# KiCad board Soft_Power_Switch_panelized.kicad_pcb (continued)
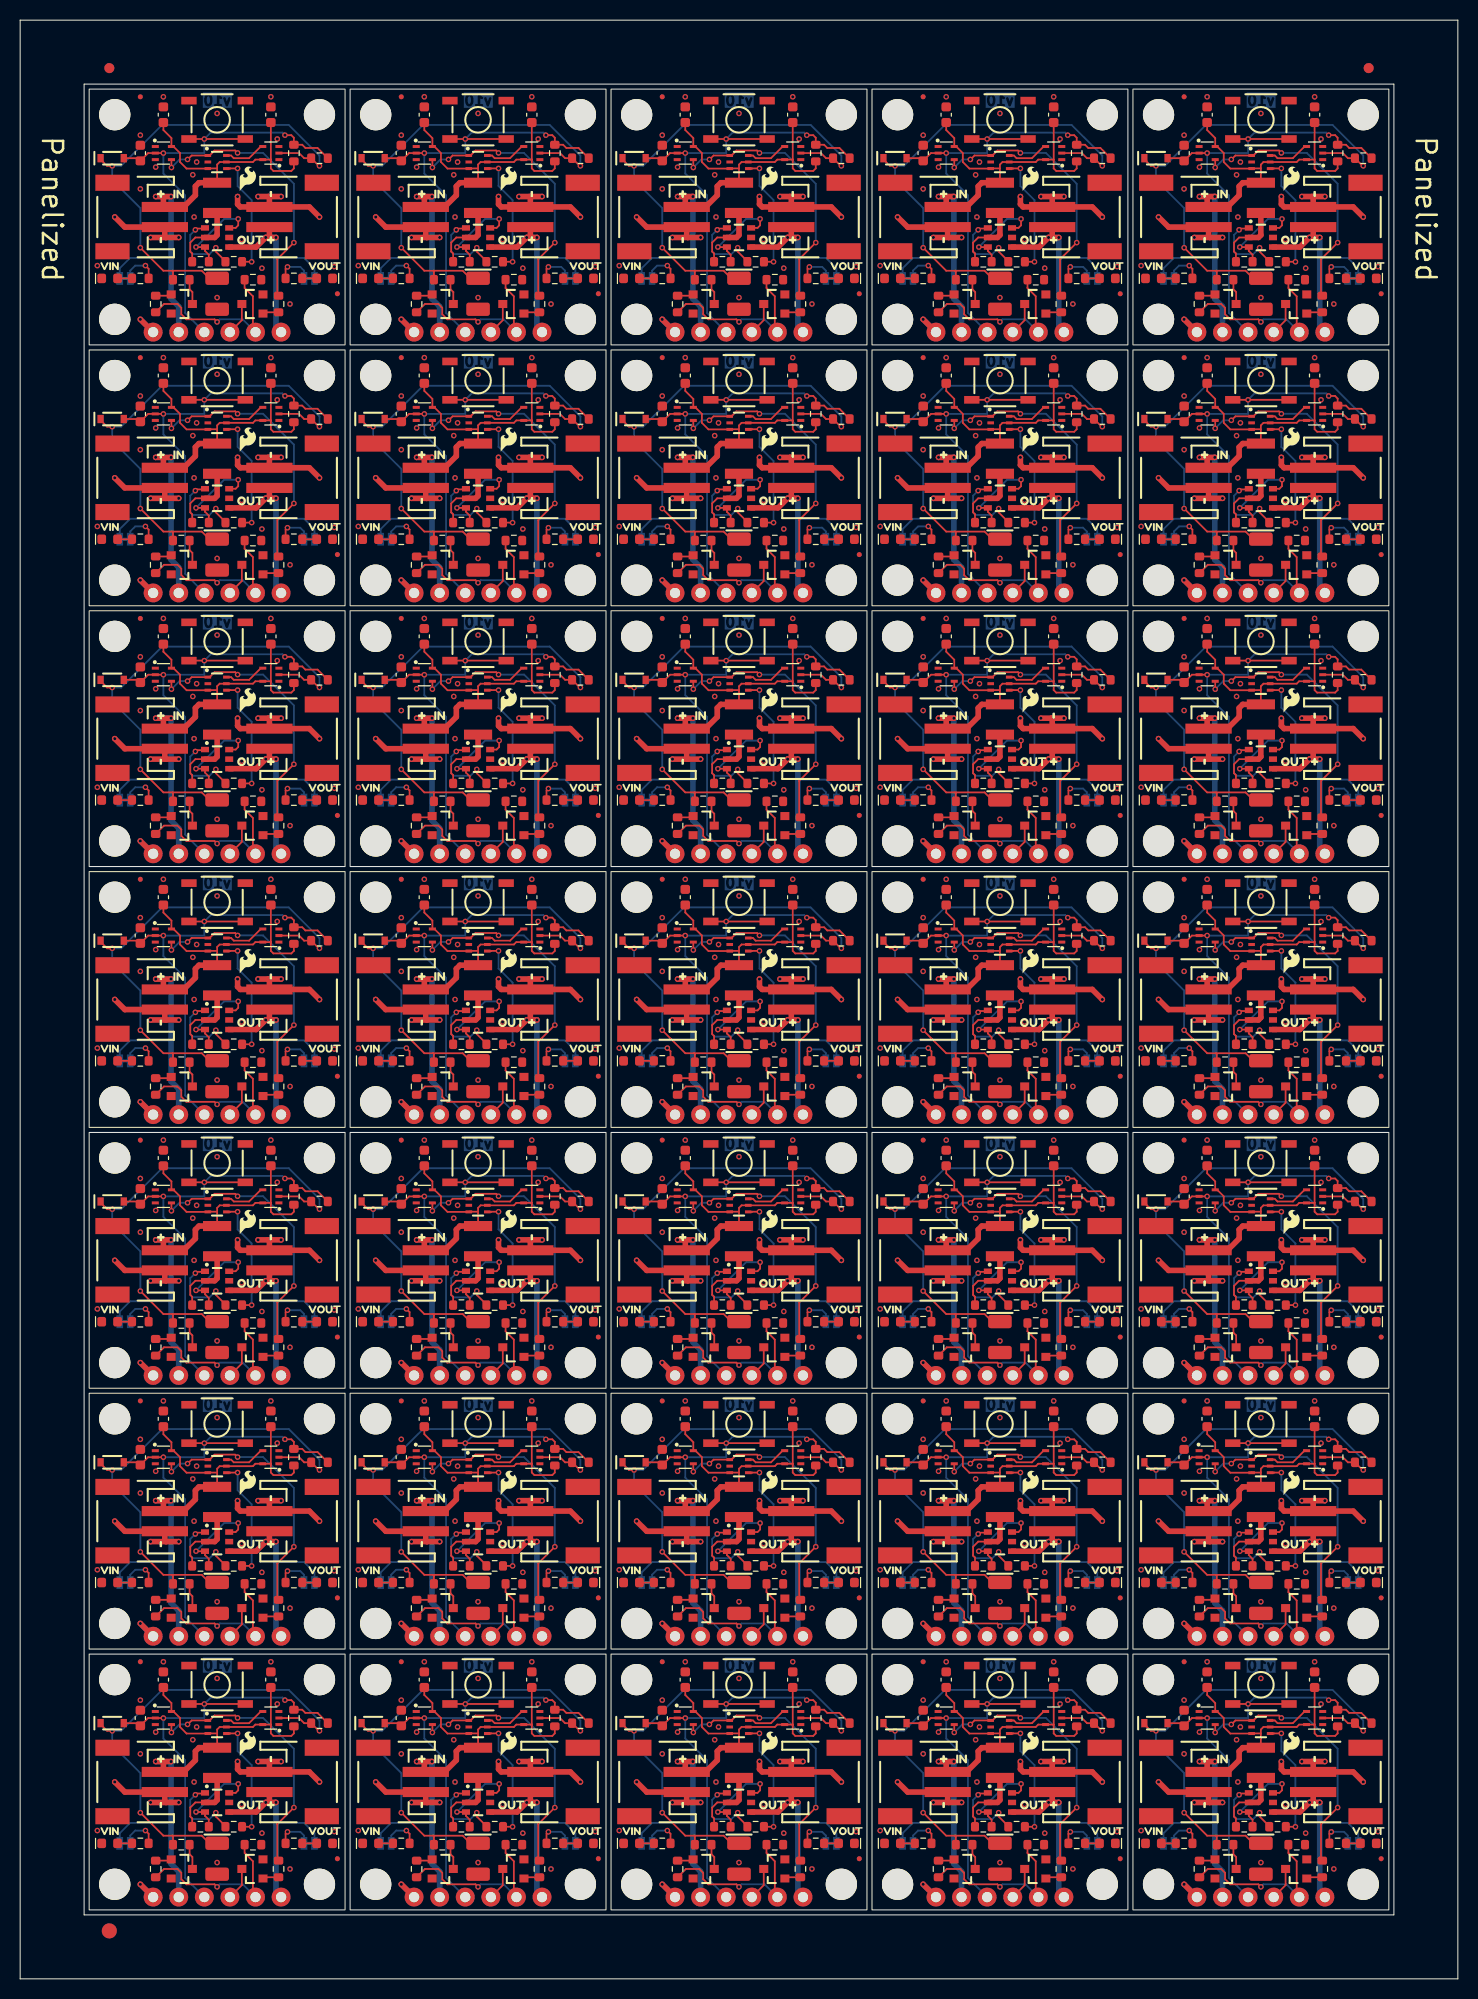
[diagram p0: board, top side]
## Nets (continued)
BTN: C1.1 C1#2.1 C1#3.1 C1#4.1 C1#5.1 C1#6.1 C1#7.1 C1#8.1 C1#9.1 C1#10.1 C1#11.1 C1#12.1 C1#13.1 C1#14.1 C1#15.1 C1#16.1 C1#17.1 C1#18.1 C1#19.1 C1#20.1 C1#21.1 C1#22.1 C1#23.1 C1#24.1 C1#25.1 C1#26.1 C1#27.1 C1#28.1 C1#29.1 C1#30.1 C1#31.1 C1#32.1 C1#33.1 C1#34.1 C1#35.1 D1.A D1#2.A D1#3.A D1#4.A D1#5.A D1#6.A D1#7.A D1#8.A D1#9.A D1#10.A D1#11.A D1#12.A D1#13.A D1#14.A D1#15.A D1#16.A D1#17.A D1#18.A D1#19.A D1#20.A D1#21.A D1#22.A D1#23.A D1#24.A D1#25.A D1#26.A D1#27.A D1#28.A D1#29.A D1#30.A D1#31.A D1#32.A D1#33.A D1#34.A D1#35.A J3.4 J3#2.4 J3#3.4 J3#4.4 J3#5.4 J3#6.4 J3#7.4 J3#8.4 J3#9.4 J3#10.4 J3#11.4 J3#12.4 J3#13.4 J3#14.4 J3#15.4 J3#16.4 J3#17.4 J3#18.4 J3#19.4 J3#20.4 J3#21.4 J3#22.4 J3#23.4 J3#24.4 J3#25.4 J3#26.4 J3#27.4 J3#28.4 J3#29.4 J3#30.4 J3#31.4 J3#32.4 J3#33.4 J3#34.4 J3#35.4 R1.2 R1#2.2 R1#3.2 R1#4.2 R1#5.2 R1#6.2 R1#7.2 R1#8.2 R1#9.2 R1#10.2 R1#11.2 R1#12.2 R1#13.2 R1#14.2 R1#15.2 R1#16.2 R1#17.2 R1#18.2 R1#19.2 R1#20.2 R1#21.2 R1#22.2 R1#23.2 R1#24.2 R1#25.2 R1#26.2 R1#27.2 R1#28.2 R1#29.2 R1#30.2 R1#31.2 R1#32.2 R1#33.2 R1#34.2 R1#35.2 R2.2 R2#2.2 R2#3.2 R2#4.2 R2#5.2 R2#6.2 R2#7.2 R2#8.2 R2#9.2 R2#10.2 R2#11.2 R2#12.2 R2#13.2 R2#14.2 R2#15.2 R2#16.2 R2#17.2 R2#18.2 R2#19.2 R2#20.2 R2#21.2 R2#22.2 R2#23.2 R2#24.2 R2#25.2 R2#26.2 R2#27.2 R2#28.2 R2#29.2 R2#30.2 R2#31.2 R2#32.2 R2#33.2 R2#34.2 R2#35.2 SW1.2 SW1#2.2 SW1#3.2 SW1#4.2 SW1#5.2 SW1#6.2 SW1#7.2 SW1#8.2 SW1#9.2 SW1#10.2 SW1#11.2 SW1#12.2 SW1#13.2 SW1#14.2 SW1#15.2 SW1#16.2 SW1#17.2 SW1#18.2 SW1#19.2 SW1#20.2 SW1#21.2 SW1#22.2 SW1#23.2 SW1#24.2 SW1#25.2 SW1#26.2 SW1#27.2 SW1#28.2 SW1#29.2 SW1#30.2 SW1#31.2 SW1#32.2 SW1#33.2 SW1#34.2 SW1#35.2 U2.2 U2#2.2 U2#3.2 U2#4.2 U2#5.2 U2#6.2 U2#7.2 U2#8.2 U2#9.2 U2#10.2 U2#11.2 U2#12.2 U2#13.2 U2#14.2 U2#15.2 U2#16.2 U2#17.2 U2#18.2 U2#19.2 U2#20.2 U2#21.2 U2#22.2 U2#23.2 U2#24.2 U2#25.2 U2#26.2 U2#27.2 U2#28.2 U2#29.2 U2#30.2 U2#31.2 U2#32.2 U2#33.2 U2#34.2 U2#35.2
EN: R9.2 R9#2.2 R9#3.2 R9#4.2 R9#5.2 R9#6.2 R9#7.2 R9#8.2 R9#9.2 R9#10.2 R9#11.2 R9#12.2 R9#13.2 R9#14.2 R9#15.2 R9#16.2 R9#17.2 R9#18.2 R9#19.2 R9#20.2 R9#21.2 R9#22.2 R9#23.2 R9#24.2 R9#25.2 R9#26.2 R9#27.2 R9#28.2 R9#29.2 R9#30.2 R9#31.2 R9#32.2 R9#33.2 R9#34.2 R9#35.2 U4.4 U4#2.4 U4#3.4 U4#4.4 U4#5.4 U4#6.4 U4#7.4 U4#8.4 U4#9.4 U4#10.4 U4#11.4 U4#12.4 U4#13.4 U4#14.4 U4#15.4 U4#16.4 U4#17.4 U4#18.4 U4#19.4 U4#20.4 U4#21.4 U4#22.4 U4#23.4 U4#24.4 U4#25.4 U4#26.4 U4#27.4 U4#28.4 U4#29.4 U4#30.4 U4#31.4 U4#32.4 U4#33.4 U4#34.4 U4#35.4
OFF: J3.2 J3#2.2 J3#3.2 J3#4.2 J3#5.2 J3#6.2 J3#7.2 J3#8.2 J3#9.2 J3#10.2 J3#11.2 J3#12.2 J3#13.2 J3#14.2 J3#15.2 J3#16.2 J3#17.2 J3#18.2 J3#19.2 J3#20.2 J3#21.2 J3#22.2 J3#23.2 J3#24.2 J3#25.2 J3#26.2 J3#27.2 J3#28.2 J3#29.2 J3#30.2 J3#31.2 J3#32.2 J3#33.2 J3#34.2 J3#35.2 R6.2 R6#2.2 R6#3.2 R6#4.2 R6#5.2 R6#6.2 R6#7.2 R6#8.2 R6#9.2 R6#10.2 R6#11.2 R6#12.2 R6#13.2 R6#14.2 R6#15.2 R6#16.2 R6#17.2 R6#18.2 R6#19.2 R6#20.2 R6#21.2 R6#22.2 R6#23.2 R6#24.2 R6#25.2 R6#26.2 R6#27.2 R6#28.2 R6#29.2 R6#30.2 R6#31.2 R6#32.2 R6#33.2 R6#34.2 R6#35.2 R7.1 R7#2.1 R7#3.1 R7#4.1 R7#5.1 R7#6.1 R7#7.1 R7#8.1 R7#9.1 R7#10.1 R7#11.1 R7#12.1 R7#13.1 R7#14.1 R7#15.1 R7#16.1 R7#17.1 R7#18.1 R7#19.1 R7#20.1 R7#21.1 R7#22.1 R7#23.1 R7#24.1 R7#25.1 R7#26.1 R7#27.1 R7#28.1 R7#29.1 R7#30.1 R7#31.1 R7#32.1 R7#33.1 R7#34.1 R7#35.1
PUSH: J3.3 J3#2.3 J3#3.3 J3#4.3 J3#5.3 J3#6.3 J3#7.3 J3#8.3 J3#9.3 J3#10.3 J3#11.3 J3#12.3 J3#13.3 J3#14.3 J3#15.3 J3#16.3 J3#17.3 J3#18.3 J3#19.3 J3#20.3 J3#21.3 J3#22.3 J3#23.3 J3#24.3 J3#25.3 J3#26.3 J3#27.3 J3#28.3 J3#29.3 J3#30.3 J3#31.3 J3#32.3 J3#33.3 J3#34.3 J3#35.3 Q2.3 Q2#2.3 Q2#3.3 Q2#4.3 Q2#5.3 Q2#6.3 Q2#7.3 Q2#8.3 Q2#9.3 Q2#10.3 Q2#11.3 Q2#12.3 Q2#13.3 Q2#14.3 Q2#15.3 Q2#16.3 Q2#17.3 Q2#18.3 Q2#19.3 Q2#20.3 Q2#21.3 Q2#22.3 Q2#23.3 Q2#24.3 Q2#25.3 Q2#26.3 Q2#27.3 Q2#28.3 Q2#29.3 Q2#30.3 Q2#31.3 Q2#32.3 Q2#33.3 Q2#34.3 Q2#35.3
VOUT: J2.2 J2#2.2 J2#3.2 J2#4.2 J2#5.2 J2#6.2 J2#7.2 J2#8.2 J2#9.2 J2#10.2 J2#11.2 J2#12.2 J2#13.2 J2#14.2 J2#15.2 J2#16.2 J2#17.2 J2#18.2 J2#19.2 J2#20.2 J2#21.2 J2#22.2 J2#23.2 J2#24.2 J2#25.2 J2#26.2 J2#27.2 J2#28.2 J2#29.2 J2#30.2 J2#31.2 J2#32.2 J2#33.2 J2#34.2 J2#35.2 J3.1 J3#2.1 J3#3.1 J3#4.1 J3#5.1 J3#6.1 J3#7.1 J3#8.1 J3#9.1 J3#10.1 J3#11.1 J3#12.1 J3#13.1 J3#14.1 J3#15.1 J3#16.1 J3#17.1 J3#18.1 J3#19.1 J3#20.1 J3#21.1 J3#22.1 J3#23.1 J3#24.1 J3#25.1 J3#26.1 J3#27.1 J3#28.1 J3#29.1 J3#30.1 J3#31.1 J3#32.1 J3#33.1 J3#34.1 J3#35.1 JP2.2 JP2#2.2 JP2#3.2 JP2#4.2 JP2#5.2 JP2#6.2 JP2#7.2 JP2#8.2 JP2#9.2 JP2#10.2 JP2#11.2 JP2#12.2 JP2#13.2 JP2#14.2 JP2#15.2 JP2#16.2 JP2#17.2 JP2#18.2 JP2#19.2 JP2#20.2 JP2#21.2 JP2#22.2 JP2#23.2 JP2#24.2 JP2#25.2 JP2#26.2 JP2#27.2 JP2#28.2 JP2#29.2 JP2#30.2 JP2#31.2 JP2#32.2 JP2#33.2 JP2#34.2 JP2#35.2 Q3.4 Q3#2.4 Q3#3.4 Q3#4.4 Q3#5.4 Q3#6.4 Q3#7.4 Q3#8.4 Q3#9.4 Q3#10.4 Q3#11.4 Q3#12.4 Q3#13.4 Q3#14.4 Q3#15.4 Q3#16.4 Q3#17.4 Q3#18.4 Q3#19.4 Q3#20.4 Q3#21.4 Q3#22.4 Q3#23.4 Q3#24.4 Q3#25.4 Q3#26.4 Q3#27.4 Q3#28.4 Q3#29.4 Q3#30.4 Q3#31.4 Q3#32.4 Q3#33.4 Q3#34.4 Q3#35.4
Net-(C2-Pad1): C2.1 C2#2.1 C2#3.1 C2#4.1 C2#5.1 C2#6.1 C2#7.1 C2#8.1 C2#9.1 C2#10.1 C2#11.1 C2#12.1 C2#13.1 C2#14.1 C2#15.1 C2#16.1 C2#17.1 C2#18.1 C2#19.1 C2#20.1 C2#21.1 C2#22.1 C2#23.1 C2#24.1 C2#25.1 C2#26.1 C2#27.1 C2#28.1 C2#29.1 C2#30.1 C2#31.1 C2#32.1 C2#33.1 C2#34.1 C2#35.1 D1.C D1#2.C D1#3.C D1#4.C D1#5.C D1#6.C D1#7.C D1#8.C D1#9.C D1#10.C D1#11.C D1#12.C D1#13.C D1#14.C D1#15.C D1#16.C D1#17.C D1#18.C D1#19.C D1#20.C D1#21.C D1#22.C D1#23.C D1#24.C D1#25.C D1#26.C D1#27.C D1#28.C D1#29.C D1#30.C D1#31.C D1#32.C D1#33.C D1#34.C D1#35.C R2.1 R2#2.1 R2#3.1 R2#4.1 R2#5.1 R2#6.1 R2#7.1 R2#8.1 R2#9.1 R2#10.1 R2#11.1 R2#12.1 R2#13.1 R2#14.1 R2#15.1 R2#16.1 R2#17.1 R2#18.1 R2#19.1 R2#20.1 R2#21.1 R2#22.1 R2#23.1 R2#24.1 R2#25.1 R2#26.1 R2#27.1 R2#28.1 R2#29.1 R2#30.1 R2#31.1 R2#32.1 R2#33.1 R2#34.1 R2#35.1 R5.1 R5#2.1 R5#3.1 R5#4.1 R5#5.1 R5#6.1 R5#7.1 R5#8.1 R5#9.1 R5#10.1 R5#11.1 R5#12.1 R5#13.1 R5#14.1 R5#15.1 R5#16.1 R5#17.1 R5#18.1 R5#19.1 R5#20.1 R5#21.1 R5#22.1 R5#23.1 R5#24.1 R5#25.1 R5#26.1 R5#27.1 R5#28.1 R5#29.1 R5#30.1 R5#31.1 R5#32.1 R5#33.1 R5#34.1 R5#35.1 U3.2 U3#2.2 U3#3.2 U3#4.2 U3#5.2 U3#6.2 U3#7.2 U3#8.2 U3#9.2 U3#10.2 U3#11.2 U3#12.2 U3#13.2 U3#14.2 U3#15.2 U3#16.2 U3#17.2 U3#18.2 U3#19.2 U3#20.2 U3#21.2 U3#22.2 U3#23.2 U3#24.2 U3#25.2 U3#26.2 U3#27.2 U3#28.2 U3#29.2 U3#30.2 U3#31.2 U3#32.2 U3#33.2 U3#34.2 U3#35.2
Net-(D2-A): D2.2 D2#2.2 D2#3.2 D2#4.2 D2#5.2 D2#6.2 D2#7.2 D2#8.2 D2#9.2 D2#10.2 D2#11.2 D2#12.2 D2#13.2 D2#14.2 D2#15.2 D2#16.2 D2#17.2 D2#18.2 D2#19.2 D2#20.2 D2#21.2 D2#22.2 D2#23.2 D2#24.2 D2#25.2 D2#26.2 D2#27.2 D2#28.2 D2#29.2 D2#30.2 D2#31.2 D2#32.2 D2#33.2 D2#34.2 D2#35.2 R3.2 R3#2.2 R3#3.2 R3#4.2 R3#5.2 R3#6.2 R3#7.2 R3#8.2 R3#9.2 R3#10.2 R3#11.2 R3#12.2 R3#13.2 R3#14.2 R3#15.2 R3#16.2 R3#17.2 R3#18.2 R3#19.2 R3#20.2 R3#21.2 R3#22.2 R3#23.2 R3#24.2 R3#25.2 R3#26.2 R3#27.2 R3#28.2 R3#29.2 R3#30.2 R3#31.2 R3#32.2 R3#33.2 R3#34.2 R3#35.2
Net-(D3-A): D3.2 D3#2.2 D3#3.2 D3#4.2 D3#5.2 D3#6.2 D3#7.2 D3#8.2 D3#9.2 D3#10.2 D3#11.2 D3#12.2 D3#13.2 D3#14.2 D3#15.2 D3#16.2 D3#17.2 D3#18.2 D3#19.2 D3#20.2 D3#21.2 D3#22.2 D3#23.2 D3#24.2 D3#25.2 D3#26.2 D3#27.2 D3#28.2 D3#29.2 D3#30.2 D3#31.2 D3#32.2 D3#33.2 D3#34.2 D3#35.2 R4.2 R4#2.2 R4#3.2 R4#4.2 R4#5.2 R4#6.2 R4#7.2 R4#8.2 R4#9.2 R4#10.2 R4#11.2 R4#12.2 R4#13.2 R4#14.2 R4#15.2 R4#16.2 R4#17.2 R4#18.2 R4#19.2 R4#20.2 R4#21.2 R4#22.2 R4#23.2 R4#24.2 R4#25.2 R4#26.2 R4#27.2 R4#28.2 R4#29.2 R4#30.2 R4#31.2 R4#32.2 R4#33.2 R4#34.2 R4#35.2
Net-(JP1-A): JP1.1 JP1#2.1 JP1#3.1 JP1#4.1 JP1#5.1 JP1#6.1 JP1#7.1 JP1#8.1 JP1#9.1 JP1#10.1 JP1#11.1 JP1#12.1 JP1#13.1 JP1#14.1 JP1#15.1 JP1#16.1 JP1#17.1 JP1#18.1 JP1#19.1 JP1#20.1 JP1#21.1 JP1#22.1 JP1#23.1 JP1#24.1 JP1#25.1 JP1#26.1 JP1#27.1 JP1#28.1 JP1#29.1 JP1#30.1 JP1#31.1 JP1#32.1 JP1#33.1 JP1#34.1 JP1#35.1 R3.1 R3#2.1 R3#3.1 R3#4.1 R3#5.1 R3#6.1 R3#7.1 R3#8.1 R3#9.1 R3#10.1 R3#11.1 R3#12.1 R3#13.1 R3#14.1 R3#15.1 R3#16.1 R3#17.1 R3#18.1 R3#19.1 R3#20.1 R3#21.1 R3#22.1 R3#23.1 R3#24.1 R3#25.1 R3#26.1 R3#27.1 R3#28.1 R3#29.1 R3#30.1 R3#31.1 R3#32.1 R3#33.1 R3#34.1 R3#35.1
Net-(JP2-A): JP2.1 JP2#2.1 JP2#3.1 JP2#4.1 JP2#5.1 JP2#6.1 JP2#7.1 JP2#8.1 JP2#9.1 JP2#10.1 JP2#11.1 JP2#12.1 JP2#13.1 JP2#14.1 JP2#15.1 JP2#16.1 JP2#17.1 JP2#18.1 JP2#19.1 JP2#20.1 JP2#21.1 JP2#22.1 JP2#23.1 JP2#24.1 JP2#25.1 JP2#26.1 JP2#27.1 JP2#28.1 JP2#29.1 JP2#30.1 JP2#31.1 JP2#32.1 JP2#33.1 JP2#34.1 JP2#35.1 R4.1 R4#2.1 R4#3.1 R4#4.1 R4#5.1 R4#6.1 R4#7.1 R4#8.1 R4#9.1 R4#10.1 R4#11.1 R4#12.1 R4#13.1 R4#14.1 R4#15.1 R4#16.1 R4#17.1 R4#18.1 R4#19.1 R4#20.1 R4#21.1 R4#22.1 R4#23.1 R4#24.1 R4#25.1 R4#26.1 R4#27.1 R4#28.1 R4#29.1 R4#30.1 R4#31.1 R4#32.1 R4#33.1 R4#34.1 R4#35.1
Net-(Q1-D): Q1.3 Q1#2.3 Q1#3.3 Q1#4.3 Q1#5.3 Q1#6.3 Q1#7.3 Q1#8.3 Q1#9.3 Q1#10.3 Q1#11.3 Q1#12.3 Q1#13.3 Q1#14.3 Q1#15.3 Q1#16.3 Q1#17.3 Q1#18.3 Q1#19.3 Q1#20.3 Q1#21.3 Q1#22.3 Q1#23.3 Q1#24.3 Q1#25.3 Q1#26.3 Q1#27.3 Q1#28.3 Q1#29.3 Q1#30.3 Q1#31.3 Q1#32.3 Q1#33.3 Q1#34.3 Q1#35.3 R5.2 R5#2.2 R5#3.2 R5#4.2 R5#5.2 R5#6.2 R5#7.2 R5#8.2 R5#9.2 R5#10.2 R5#11.2 R5#12.2 R5#13.2 R5#14.2 R5#15.2 R5#16.2 R5#17.2 R5#18.2 R5#19.2 R5#20.2 R5#21.2 R5#22.2 R5#23.2 R5#24.2 R5#25.2 R5#26.2 R5#27.2 R5#28.2 R5#29.2 R5#30.2 R5#31.2 R5#32.2 R5#33.2 R5#34.2 R5#35.2
Net-(Q1-G): Q1.1 Q1#2.1 Q1#3.1 Q1#4.1 Q1#5.1 Q1#6.1 Q1#7.1 Q1#8.1 Q1#9.1 Q1#10.1 Q1#11.1 Q1#12.1 Q1#13.1 Q1#14.1 Q1#15.1 Q1#16.1 Q1#17.1 Q1#18.1 Q1#19.1 Q1#20.1 Q1#21.1 Q1#22.1 Q1#23.1 Q1#24.1 Q1#25.1 Q1#26.1 Q1#27.1 Q1#28.1 Q1#29.1 Q1#30.1 Q1#31.1 Q1#32.1 Q1#33.1 Q1#34.1 Q1#35.1 R6.1 R6#2.1 R6#3.1 R6#4.1 R6#5.1 R6#6.1 R6#7.1 R6#8.1 R6#9.1 R6#10.1 R6#11.1 R6#12.1 R6#13.1 R6#14.1 R6#15.1 R6#16.1 R6#17.1 R6#18.1 R6#19.1 R6#20.1 R6#21.1 R6#22.1 R6#23.1 R6#24.1 R6#25.1 R6#26.1 R6#27.1 R6#28.1 R6#29.1 R6#30.1 R6#31.1 R6#32.1 R6#33.1 R6#34.1 R6#35.1
Net-(Q2-G): Q2.1 Q2#2.1 Q2#3.1 Q2#4.1 Q2#5.1 Q2#6.1 Q2#7.1 Q2#8.1 Q2#9.1 Q2#10.1 Q2#11.1 Q2#12.1 Q2#13.1 Q2#14.1 Q2#15.1 Q2#16.1 Q2#17.1 Q2#18.1 Q2#19.1 Q2#20.1 Q2#21.1 Q2#22.1 Q2#23.1 Q2#24.1 Q2#25.1 Q2#26.1 Q2#27.1 Q2#28.1 Q2#29.1 Q2#30.1 Q2#31.1 Q2#32.1 Q2#33.1 Q2#34.1 Q2#35.1 R8.2 R8#2.2 R8#3.2 R8#4.2 R8#5.2 R8#6.2 R8#7.2 R8#8.2 R8#9.2 R8#10.2 R8#11.2 R8#12.2 R8#13.2 R8#14.2 R8#15.2 R8#16.2 R8#17.2 R8#18.2 R8#19.2 R8#20.2 R8#21.2 R8#22.2 R8#23.2 R8#24.2 R8#25.2 R8#26.2 R8#27.2 R8#28.2 R8#29.2 R8#30.2 R8#31.2 R8#32.2 R8#33.2 R8#34.2 R8#35.2
Net-(Q3A-D): Q3.3 Q3.6 Q3#2.3 Q3#2.6 Q3#3.3 Q3#3.6 Q3#4.3 Q3#4.6 Q3#5.3 Q3#5.6 Q3#6.3 Q3#6.6 Q3#7.3 Q3#7.6 Q3#8.3 Q3#8.6 Q3#9.3 Q3#9.6 Q3#10.3 Q3#10.6 Q3#11.3 Q3#11.6 Q3#12.3 Q3#12.6 Q3#13.3 Q3#13.6 Q3#14.3 Q3#14.6 Q3#15.3 Q3#15.6 Q3#16.3 Q3#16.6 Q3#17.3 Q3#17.6 Q3#18.3 Q3#18.6 Q3#19.3 Q3#19.6 Q3#20.3 Q3#20.6 Q3#21.3 Q3#21.6 Q3#22.3 Q3#22.6 Q3#23.3 Q3#23.6 Q3#24.3 Q3#24.6 Q3#25.3 Q3#25.6 Q3#26.3 Q3#26.6 Q3#27.3 Q3#27.6 Q3#28.3 Q3#28.6 Q3#29.3 Q3#29.6 Q3#30.3 Q3#30.6 Q3#31.3 Q3#31.6 Q3#32.3 Q3#32.6 Q3#33.3 Q3#33.6 Q3#34.3 Q3#34.6 Q3#35.3 Q3#35.6 R10.1 R10#2.1 R10#3.1 R10#4.1 R10#5.1 R10#6.1 R10#7.1 R10#8.1 R10#9.1 R10#10.1 R10#11.1 R10#12.1 R10#13.1 R10#14.1 R10#15.1 R10#16.1 R10#17.1 R10#18.1 R10#19.1 R10#20.1 R10#21.1 R10#22.1 R10#23.1 R10#24.1 R10#25.1 R10#26.1 R10#27.1 R10#28.1 R10#29.1 R10#30.1 R10#31.1 R10#32.1 R10#33.1 R10#34.1 R10#35.1
Net-(Q3A-G): Q3.1 Q3#2.1 Q3#3.1 Q3#4.1 Q3#5.1 Q3#6.1 Q3#7.1 Q3#8.1 Q3#9.1 Q3#10.1 Q3#11.1 Q3#12.1 Q3#13.1 Q3#14.1 Q3#15.1 Q3#16.1 Q3#17.1 Q3#18.1 Q3#19.1 Q3#20.1 Q3#21.1 Q3#22.1 Q3#23.1 Q3#24.1 Q3#25.1 Q3#26.1 Q3#27.1 Q3#28.1 Q3#29.1 Q3#30.1 Q3#31.1 Q3#32.1 Q3#33.1 Q3#34.1 Q3#35.1 R9.1 R9#2.1 R9#3.1 R9#4.1 R9#5.1 R9#6.1 R9#7.1 R9#8.1 R9#9.1 R9#10.1 R9#11.1 R9#12.1 R9#13.1 R9#14.1 R9#15.1 R9#16.1 R9#17.1 R9#18.1 R9#19.1 R9#20.1 R9#21.1 R9#22.1 R9#23.1 R9#24.1 R9#25.1 R9#26.1 R9#27.1 R9#28.1 R9#29.1 R9#30.1 R9#31.1 R9#32.1 R9#33.1 R9#34.1 R9#35.1
Net-(Q3B-1): F1.1 F1#2.1 F1#3.1 F1#4.1 F1#5.1 F1#6.1 F1#7.1 F1#8.1 F1#9.1 F1#10.1 F1#11.1 F1#12.1 F1#13.1 F1#14.1 F1#15.1 F1#16.1 F1#17.1 F1#18.1 F1#19.1 F1#20.1 F1#21.1 F1#22.1 F1#23.1 F1#24.1 F1#25.1 F1#26.1 F1#27.1 F1#28.1 F1#29.1 F1#30.1 F1#31.1 F1#32.1 F1#33.1 F1#34.1 F1#35.1 Q3.2 Q3#2.2 Q3#3.2 Q3#4.2 Q3#5.2 Q3#6.2 Q3#7.2 Q3#8.2 Q3#9.2 Q3#10.2 Q3#11.2 Q3#12.2 Q3#13.2 Q3#14.2 Q3#15.2 Q3#16.2 Q3#17.2 Q3#18.2 Q3#19.2 Q3#20.2 Q3#21.2 Q3#22.2 Q3#23.2 Q3#24.2 Q3#25.2 Q3#26.2 Q3#27.2 Q3#28.2 Q3#29.2 Q3#30.2 Q3#31.2 Q3#32.2 Q3#33.2 Q3#34.2 Q3#35.2 R10.2 R10#2.2 R10#3.2 R10#4.2 R10#5.2 R10#6.2 R10#7.2 R10#8.2 R10#9.2 R10#10.2 R10#11.2 R10#12.2 R10#13.2 R10#14.2 R10#15.2 R10#16.2 R10#17.2 R10#18.2 R10#19.2 R10#20.2 R10#21.2 R10#22.2 R10#23.2 R10#24.2 R10#25.2 R10#26.2 R10#27.2 R10#28.2 R10#29.2 R10#30.2 R10#31.2 R10#32.2 R10#33.2 R10#34.2 R10#35.2
Net-(U4-CLK): R8.1 R8#2.1 R8#3.1 R8#4.1 R8#5.1 R8#6.1 R8#7.1 R8#8.1 R8#9.1 R8#10.1 R8#11.1 R8#12.1 R8#13.1 R8#14.1 R8#15.1 R8#16.1 R8#17.1 R8#18.1 R8#19.1 R8#20.1 R8#21.1 R8#22.1 R8#23.1 R8#24.1 R8#25.1 R8#26.1 R8#27.1 R8#28.1 R8#29.1 R8#30.1 R8#31.1 R8#32.1 R8#33.1 R8#34.1 R8#35.1 U2.4 U2#2.4 U2#3.4 U2#4.4 U2#5.4 U2#6.4 U2#7.4 U2#8.4 U2#9.4 U2#10.4 U2#11.4 U2#12.4 U2#13.4 U2#14.4 U2#15.4 U2#16.4 U2#17.4 U2#18.4 U2#19.4 U2#20.4 U2#21.4 U2#22.4 U2#23.4 U2#24.4 U2#25.4 U2#26.4 U2#27.4 U2#28.4 U2#29.4 U2#30.4 U2#31.4 U2#32.4 U2#33.4 U2#34.4 U2#35.4 U4.1 U4#2.1 U4#3.1 U4#4.1 U4#5.1 U4#6.1 U4#7.1 U4#8.1 U4#9.1 U4#10.1 U4#11.1 U4#12.1 U4#13.1 U4#14.1 U4#15.1 U4#16.1 U4#17.1 U4#18.1 U4#19.1 U4#20.1 U4#21.1 U4#22.1 U4#23.1 U4#24.1 U4#25.1 U4#26.1 U4#27.1 U4#28.1 U4#29.1 U4#30.1 U4#31.1 U4#32.1 U4#33.1 U4#34.1 U4#35.1
Net-(U4-~{CLR}): U3.4 U3#2.4 U3#3.4 U3#4.4 U3#5.4 U3#6.4 U3#7.4 U3#8.4 U3#9.4 U3#10.4 U3#11.4 U3#12.4 U3#13.4 U3#14.4 U3#15.4 U3#16.4 U3#17.4 U3#18.4 U3#19.4 U3#20.4 U3#21.4 U3#22.4 U3#23.4 U3#24.4 U3#25.4 U3#26.4 U3#27.4 U3#28.4 U3#29.4 U3#30.4 U3#31.4 U3#32.4 U3#33.4 U3#34.4 U3#35.4 U4.6 U4#2.6 U4#3.6 U4#4.6 U4#5.6 U4#6.6 U4#7.6 U4#8.6 U4#9.6 U4#10.6 U4#11.6 U4#12.6 U4#13.6 U4#14.6 U4#15.6 U4#16.6 U4#17.6 U4#18.6 U4#19.6 U4#20.6 U4#21.6 U4#22.6 U4#23.6 U4#24.6 U4#25.6 U4#26.6 U4#27.6 U4#28.6 U4#29.6 U4#30.6 U4#31.6 U4#32.6 U4#33.6 U4#34.6 U4#35.6

Pads without a net: J1 NC1 NC2; J1#2 NC1 NC2; J1#3 NC1 NC2; J1#4 NC1 NC2; J1#5 NC1 NC2; J1#6 NC1 NC2; J1#7 NC1 NC2; J1#8 NC1 NC2; J1#9 NC1 NC2; J1#10 NC1 NC2; J1#11 NC1 NC2; J1#12 NC1 NC2; J1#13 NC1 NC2; J1#14 NC1 NC2; J1#15 NC1 NC2; J1#16 NC1 NC2; J1#17 NC1 NC2; J1#18 NC1 NC2; J1#19 NC1 NC2; J1#20 NC1 NC2; J1#21 NC1 NC2; J1#22 NC1 NC2; J1#23 NC1 NC2; J1#24 NC1 NC2; J1#25 NC1 NC2; J1#26 NC1 NC2; J1#27 NC1 NC2; J1#28 NC1 NC2; J1#29 NC1 NC2; J1#30 NC1 NC2; J1#31 NC1 NC2; J1#32 NC1 NC2; J1#33 NC1 NC2; J1#34 NC1 NC2; J1#35 NC1 NC2; J2 NC1 NC2; J2#2 NC1 NC2; J2#3 NC1 NC2; J2#4 NC1 NC2; J2#5 NC1 NC2; J2#6 NC1 NC2; J2#7 NC1 NC2; J2#8 NC1 NC2; J2#9 NC1 NC2; J2#10 NC1 NC2; J2#11 NC1 NC2; J2#12 NC1 NC2; J2#13 NC1 NC2; J2#14 NC1 NC2; J2#15 NC1 NC2; J2#16 NC1 NC2; J2#17 NC1 NC2; J2#18 NC1 NC2; J2#19 NC1 NC2; J2#20 NC1 NC2; J2#21 NC1 NC2; J2#22 NC1 NC2; J2#23 NC1 NC2; J2#24 NC1 NC2; J2#25 NC1 NC2; J2#26 NC1 NC2; J2#27 NC1 NC2; J2#28 NC1 NC2; J2#29 NC1 NC2; J2#30 NC1 NC2; J2#31 NC1 NC2; J2#32 NC1 NC2; J2#33 NC1 NC2; J2#34 NC1 NC2; J2#35 NC1 NC2; U2 1; U2#2 1; U2#3 1; U2#4 1; U2#5 1; U2#6 1; U2#7 1; U2#8 1; U2#9 1; U2#10 1; U2#11 1; U2#12 1; U2#13 1; U2#14 1; U2#15 1; U2#16 1; U2#17 1; U2#18 1; U2#19 1; U2#20 1; U2#21 1; U2#22 1; U2#23 1; U2#24 1; U2#25 1; U2#26 1; U2#27 1; U2#28 1; U2#29 1; U2#30 1; U2#31 1; U2#32 1; U2#33 1; U2#34 1; U2#35 1; U3 1; U3#2 1; U3#3 1; U3#4 1; U3#5 1; U3#6 1; U3#7 1; U3#8 1; U3#9 1; U3#10 1; U3#11 1; U3#12 1; U3#13 1; U3#14 1; U3#15 1; U3#16 1; U3#17 1; U3#18 1; U3#19 1; U3#20 1; U3#21 1; U3#22 1; U3#23 1; U3#24 1; U3#25 1; U3#26 1; U3#27 1; U3#28 1; U3#29 1; U3#30 1; U3#31 1; U3#32 1; U3#33 1; U3#34 1; U3#35 1

## Via types
v1: diameter 0.56, hole 0.3, Top to Bottom, 1645 vias

## Routing (per net, layer and track width the routed paths; a pad name or vN(x,y) marks a point on that pad's centre or on a via; arc(x,y) is an arc through that point)
GND: length 897
  Top w0.559: J3#35.6 v1(89.63,164.79) ; 92.17,172.92 92.06,173.03 J1#32.1 88.09,173.95 v1(87.09,174.95) ; 92.17,172.92 v1(93.44,172.92) ; 92.17,172.92 v1(90.65,172.92) ; 118.07,95.22 117.96,95.33 J1#15.1 113.99,96.25 v1(112.99,97.25) ; 118.07,95.22 v1(116.55,95.22) ; 118.07,95.22 v1(119.34,95.22) ; 14.47,69.32 v1(15.74,69.32) ; 14.47,69.32 v1(12.95,69.32) ; 14.47,69.32 14.36,69.43 J1#7.1 10.39,70.35 v1(9.39,71.35) ; J2#23.1 106.41,46.45 v1(107.41,45.45) ; J2#23.1 102.44,47.37 102.33,47.48 ; J2#23.1 99.55,46.45 99.28,46.72 v1(99.28,47.48) ; 118.07,43.42 117.96,43.53 J1#25.1 113.99,44.45 v1(112.99,45.45) ; 118.07,43.42 v1(119.34,43.42) ; 118.07,43.42 v1(116.55,43.42) ; 14.47,17.52 14.36,17.63 J1#21.1 10.39,18.55 v1(9.39,19.55) ; 14.47,17.52 v1(12.95,17.52) ; 14.47,17.52 v1(15.74,17.52) ; J2#19.1 50.64,21.47 50.53,21.58 ; J2#19.1 54.61,20.55 v1(55.61,19.55) ; J2#19.1 47.75,20.55 47.48,20.82 v1(47.48,21.58) ; 102.33,47.48 v1(103.6,47.48) ; 102.33,47.48 v1(101.31,47.48) ; J2#11.1 80.51,124.15 v1(81.51,123.15) ; J2#11.1 73.65,124.15 73.38,124.42 v1(73.38,125.18) ; J2#11.1 76.54,125.07 76.43,125.18 ; J2#20.1 80.51,20.55 v1(81.51,19.55) ; J2#20.1 76.54,21.47 76.43,21.58 ; J2#20.1 73.65,20.55 73.38,20.82 v1(73.38,21.58) ; 118.07,172.92 117.96,173.03 J1#20.1 113.99,173.95 v1(112.99,174.95) ; 118.07,172.92 v1(116.55,172.92) ; 118.07,172.92 v1(119.34,172.92) ; J2#24.1 132.31,175.95 v1(133.31,174.95) ; J2#24.1 125.45,175.95 125.18,176.22 v1(125.18,176.98) ; J2#24.1 128.34,176.87 128.23,176.98 ; J2#14.1 102.44,176.87 102.33,176.98 ; J2#14.1 99.55,175.95 99.28,176.22 v1(99.28,176.98) ; J2#14.1 106.41,175.95 v1(107.41,174.95) ; v1(55.61,45.45) 54.61,46.45 J2#35.1 ; J2#29.1 106.41,98.25 v1(107.41,97.25) ; J2#29.1 99.55,98.25 99.28,98.52 v1(99.28,99.28) ; J2#29.1 102.44,99.17 102.33,99.28 ; 66.27,95.22 v1(67.54,95.22) ; 66.27,95.22 v1(64.75,95.22) ; 66.27,95.22 66.16,95.33 J1#23.1 62.19,96.25 v1(61.19,97.25) ; v1(112.99,19.55) 113.99,18.55 J1#34.1 117.96,17.63 118.07,17.52 ; v1(87.09,19.55) 88.09,18.55 J1#27.1 92.06,17.63 92.17,17.52 ; 24.63,47.48 24.74,47.37 J2#5.1 ; 24.63,47.48 v1(23.61,47.48) ; 24.63,47.48 v1(25.9,47.48) ; J3#21.6 v1(37.83,87.09) ; J2#17.1 128.34,150.97 128.23,151.08 ; J2#17.1 132.31,150.05 v1(133.31,149.05) ; J2#17.1 125.45,150.05 125.18,150.32 v1(125.18,151.08) ; J2#26.1 24.74,21.47 24.63,21.58 ; J2#26.1 28.71,20.55 v1(29.71,19.55) ; J2#26.1 21.85,20.55 21.58,20.82 v1(21.58,21.58) ; 118.07,17.52 v1(119.34,17.52) ; 118.07,17.52 v1(116.55,17.52) ; v1(38.85,43.42) 40.37,43.42 ; 40.37,43.42 v1(41.64,43.42) ; 40.37,43.42 40.26,43.53 J1#11.1 36.29,44.45 v1(35.29,45.45) ; 92.17,121.12 v1(93.44,121.12) ; 92.17,121.12 92.06,121.23 J1#3.1 88.09,122.15 v1(87.09,123.15) ; 92.17,121.12 v1(90.65,121.12) ; 50.53,21.58 v1(51.8,21.58) ; 50.53,21.58 v1(49.51,21.58) ; v1(9.39,149.05) 10.39,148.05 J1#16.1 14.36,147.13 14.47,147.02 ; J2#27.1 102.44,125.07 102.33,125.18 ; J2#27.1 106.41,124.15 v1(107.41,123.15) ; J2#27.1 99.55,124.15 99.28,124.42 v1(99.28,125.18) ; 66.27,172.92 v1(67.54,172.92) ; 66.27,172.92 v1(64.75,172.92) ; 66.27,172.92 66.16,173.03 J1#17.1 62.19,173.95 v1(61.19,174.95) ; J2#12.1 80.51,72.35 v1(81.51,71.35) ; J2#12.1 76.54,73.27 76.43,73.38 ; J2#12.1 73.65,72.35 73.38,72.62 v1(73.38,73.38) ; 40.37,95.22 v1(41.64,95.22) ; 40.37,95.22 40.26,95.33 J1#8.1 36.29,96.25 v1(35.29,97.25) ; 40.37,95.22 v1(38.85,95.22) ; 40.37,69.32 40.26,69.43 J1#12.1 36.29,70.35 v1(35.29,71.35) ; 40.37,69.32 v1(38.85,69.32) ; 40.37,69.32 v1(41.64,69.32) ; 128.23,151.08 v1(129.5,151.08) ; 128.23,151.08 v1(127.21,151.08) ; v1(87.09,97.25) 88.09,96.25 J1#35.1 92.06,95.33 92.17,95.22 ; J3#33.6 v1(11.93,112.99) ; 14.47,43.42 v1(15.74,43.42) ; 14.47,43.42 14.36,43.53 J1#14.1 10.39,44.45 v1(9.39,45.45) ; 14.47,43.42 v1(12.95,43.42) ; 40.37,121.12 40.26,121.23 J1#19.1 36.29,122.15 v1(35.29,123.15) ; 40.37,121.12 v1(41.64,121.12) ; 40.37,121.12 v1(38.85,121.12) ; 24.63,176.98 24.74,176.87 J2#15.1 ; 24.63,176.98 v1(25.9,176.98) ; 24.63,176.98 v1(23.61,176.98) ; 66.27,17.52 66.16,17.63 J1#24.1 62.19,18.55 v1(61.19,19.55) ; 66.27,17.52 v1(64.75,17.52) ; 66.27,17.52 v1(67.54,17.52) ; 118.07,69.32 v1(119.34,69.32) ; 118.07,69.32 117.96,69.43 J1#26.1 113.99,70.35 v1(112.99,71.35) ; 118.07,69.32 v1(116.55,69.32) ; J2#16.1 47.75,98.25 47.48,98.52 v1(47.48,99.28) ; J2#16.1 50.64,99.17 50.53,99.28 ; J2#16.1 54.61,98.25 v1(55.61,97.25) ; J3#14.6 v1(63.73,87.09) ; v1(35.29,149.05) 36.29,148.05 J1#4.1 40.26,147.13 40.37,147.02 ; v1(99.28,21.58) 99.28,20.82 99.55,20.55 J2#34.1 ; v1(21.58,125.18) 21.58,124.42 21.85,124.15 J2#21.1 ; J2#10.1 128.34,99.17 128.23,99.28 ; J2#10.1 132.31,98.25 v1(133.31,97.25) ; J2#10.1 125.45,98.25 125.18,98.52 v1(125.18,99.28) ; J2#6.1 128.34,73.27 128.23,73.38 ; J2#6.1 125.45,72.35 125.18,72.62 v1(125.18,73.38) ; J2#6.1 132.31,72.35 v1(133.31,71.35) ; v1(90.65,43.42) 92.17,43.42 ; 92.17,43.42 92.06,43.53 J1#31.1 88.09,44.45 v1(87.09,45.45) ; 92.17,43.42 v1(93.44,43.42) ; 76.43,151.08 76.54,150.97 J2#3.1 ; 76.43,151.08 v1(77.7,151.08) ; 76.43,151.08 v1(75.41,151.08) ; J3#18.6 v1(89.63,9.39) ; v1(101.31,176.98) 102.33,176.98 ; 102.33,176.98 v1(103.6,176.98) ; v1(49.51,99.28) 50.53,99.28 ; 50.53,99.28 v1(51.8,99.28) ; J2#21.1 28.71,124.15 v1(29.71,123.15) ; J2#21.1 24.74,125.07 24.63,125.18 ; 24.63,151.08 v1(25.9,151.08) ; 24.63,151.08 v1(23.61,151.08) ; 24.63,151.08 24.74,150.97 J2#22.1 ; J2#15.1 21.85,175.95 21.58,176.22 v1(21.58,176.98) ; J2#15.1 28.71,175.95 v1(29.71,174.95) ; v1(23.61,99.28) 24.63,99.28 ; 24.63,99.28 24.74,99.17 J2#9.1 ; 24.63,99.28 v1(25.9,99.28) ; J2#25.1 76.54,176.87 76.43,176.98 ; J2#25.1 73.65,175.95 73.38,176.22 v1(73.38,176.98) ; J2#25.1 80.51,175.95 v1(81.51,174.95) ; v1(61.19,123.15) 62.19,122.15 J1#13.1 66.16,121.23 66.27,121.12 ; J2#7.1 128.34,21.47 128.23,21.58 ; J2#7.1 125.45,20.55 125.18,20.82 v1(125.18,21.58) ; J2#7.1 132.31,20.55 v1(133.31,19.55) ; v1(21.58,73.38) 21.58,72.62 21.85,72.35 J2#32.1 ; v1(64.75,147.02) 66.27,147.02 ; 66.27,147.02 66.16,147.13 J1#6.1 62.19,148.05 v1(61.19,149.05) ; 66.27,147.02 v1(67.54,147.02) ; 14.47,121.12 14.36,121.23 J1#30.1 10.39,122.15 v1(9.39,123.15) ; 14.47,121.12 v1(15.74,121.12) ; 14.47,121.12 v1(12.95,121.12) ; v1(55.61,149.05) 54.61,150.05 J2#13.1 ; 24.63,125.18 v1(23.61,125.18) ; 24.63,125.18 v1(25.9,125.18) ; J2#8.1 125.45,46.45 125.18,46.72 v1(125.18,47.48) ; J2#8.1 128.34,47.37 128.23,47.48 ; J2#8.1 132.31,46.45 v1(133.31,45.45) ; 128.23,176.98 v1(129.5,176.98) ; 128.23,176.98 v1(127.21,176.98) ; 128.23,47.48 v1(127.21,47.48) ; 128.23,47.48 v1(129.5,47.48) ; J2#2.1 76.54,99.17 76.43,99.28 ; J2#2.1 73.65,98.25 73.38,98.52 v1(73.38,99.28) ; J2#2.1 80.51,98.25 v1(81.51,97.25) ; J3#3.6 v1(37.83,35.29) ; v1(61.19,71.35) 62.19,70.35 J1.1 66.16,69.43 66.27,69.32 ; J3#22.6 v1(63.73,61.19) ; 14.47,172.92 14.36,173.03 J1#2.1 10.39,173.95 v1(9.39,174.95) ; 14.47,172.92 v1(15.74,172.92) ; 14.47,172.92 v1(12.95,172.92) ; v1(127.21,73.38) 128.23,73.38 ; 128.23,73.38 v1(129.5,73.38) ; J2#31.1 47.75,124.15 47.48,124.42 v1(47.48,125.18) ; J2#31.1 50.64,125.07 50.53,125.18 ; J2#31.1 54.61,124.15 v1(55.61,123.15) ; J2#32.1 28.71,72.35 v1(29.71,71.35) ; J2#32.1 24.74,73.27 24.63,73.38 ; 14.47,95.22 v1(15.74,95.22) ; 14.47,95.22 v1(12.95,95.22) ; 14.47,95.22 14.36,95.33 J1#5.1 10.39,96.25 v1(9.39,97.25) ; 50.53,125.18 v1(51.8,125.18) ; 50.53,125.18 v1(49.51,125.18) ; J2#13.1 50.64,150.97 50.53,151.08 ; J2#13.1 47.75,150.05 47.48,150.32 v1(47.48,151.08) ; v1(101.31,73.38) 102.33,73.38 ; 102.33,73.38 102.44,73.27 J2#28.1 ; 102.33,73.38 v1(103.6,73.38) ; 40.37,172.92 v1(41.64,172.92) ; 40.37,172.92 v1(38.85,172.92) ; 40.37,172.92 40.26,173.03 J1#29.1 36.29,173.95 v1(35.29,174.95) ; v1(55.61,71.35) 54.61,72.35 J2.1 ; 14.47,147.02 v1(15.74,147.02) ; 14.47,147.02 v1(12.95,147.02) ; v1(99.28,151.08) 99.28,150.32 99.55,150.05 J2#18.1 ; J2#18.1 102.44,150.97 102.33,151.08 ; J2#18.1 106.41,150.05 v1(107.41,149.05) ; v1(127.21,125.18) 128.23,125.18 ; 128.23,125.18 v1(129.5,125.18) ; 128.23,125.18 128.34,125.07 J2#4.1 ; 76.43,99.28 v1(77.7,99.28) ; 76.43,99.28 v1(75.41,99.28) ; 128.23,21.58 v1(127.21,21.58) ; 128.23,21.58 v1(129.5,21.58) ; J3#8.6 v1(115.53,9.39) ; J3#17.6 v1(37.83,9.39) ; v1(29.71,97.25) 28.71,98.25 J2#9.1 ; J2#35.1 47.75,46.45 47.48,46.72 v1(47.48,47.48) ; J2#35.1 50.64,47.37 50.53,47.48 ; J3#11.6 v1(37.83,164.79) ; v1(90.65,95.22) 92.17,95.22 ; 92.17,95.22 v1(93.44,95.22) ; 118.07,121.12 v1(119.34,121.12) ; 118.07,121.12 v1(116.55,121.12) ; 118.07,121.12 117.96,121.23 J1#33.1 113.99,122.15 v1(112.99,123.15) ; v1(125.18,125.18) 125.18,124.42 125.45,124.15 J2#4.1 ; 50.53,176.98 v1(51.8,176.98) ; 50.53,176.98 50.64,176.87 J2#33.1 ; 50.53,176.98 v1(49.51,176.98) ; J2#4.1 132.31,124.15 v1(133.31,123.15) ; 66.27,43.42 v1(67.54,43.42) ; 66.27,43.42 66.16,43.53 J1#18.1 62.19,44.45 v1(61.19,45.45) ; 66.27,43.42 v1(64.75,43.42) ; J2#9.1 21.85,98.25 21.58,98.52 v1(21.58,99.28) ; v1(101.31,151.08) 102.33,151.08 ; 102.33,151.08 v1(103.6,151.08) ; 76.43,21.58 v1(77.7,21.58) ; 76.43,21.58 v1(75.41,21.58) ; J3#7.6 v1(115.53,112.99) ; v1(73.38,47.48) 73.38,46.72 73.65,46.45 J2#30.1 ; J3#24.6 v1(37.83,112.99) ; v1(21.58,47.48) 21.58,46.72 21.85,46.45 J2#5.1 ; 92.17,69.32 v1(93.44,69.32) ; 92.17,69.32 v1(90.65,69.32) ; 92.17,69.32 92.06,69.43 J1#10.1 88.09,70.35 v1(87.09,71.35) ; v1(112.99,149.05) 113.99,148.05 J1#9.1 117.96,147.13 118.07,147.02 ; 40.37,147.02 v1(41.64,147.02) ; 40.37,147.02 v1(38.85,147.02) ; 76.43,47.48 76.54,47.37 J2#30.1 ; 76.43,47.48 v1(75.41,47.48) ; 76.43,47.48 v1(77.7,47.48) ; 128.23,99.28 v1(129.5,99.28) ; 128.23,99.28 v1(127.21,99.28) ; v1(23.61,21.58) 24.63,21.58 ; 24.63,21.58 v1(25.9,21.58) ; J3#27.6 v1(115.53,35.29) ; 66.27,69.32 v1(67.54,69.32) ; 66.27,69.32 v1(64.75,69.32) ; 92.17,147.02 92.06,147.13 J1#28.1 88.09,148.05 v1(87.09,149.05) ; 92.17,147.02 v1(93.44,147.02) ; 92.17,147.02 v1(90.65,147.02) ; J2#34.1 102.44,21.47 102.33,21.58 ; J2#34.1 106.41,20.55 v1(107.41,19.55) ; J2#3.1 73.65,150.05 73.38,150.32 v1(73.38,151.08) ; J2#3.1 80.51,150.05 v1(81.51,149.05) ; v1(23.61,73.38) 24.63,73.38 ; 24.63,73.38 v1(25.9,73.38) ; 102.33,125.18 v1(103.6,125.18) ; 102.33,125.18 v1(101.31,125.18) ; J2#5.1 28.71,46.45 v1(29.71,45.45) ; v1(107.41,71.35) 106.41,72.35 J2#28.1 ; J3#31.6 v1(11.93,35.29) ; 50.53,47.48 v1(51.8,47.48) ; 50.53,47.48 v1(49.51,47.48) ; 118.07,147.02 v1(119.34,147.02) ; 118.07,147.02 v1(116.55,147.02) ; 76.43,176.98 v1(75.41,176.98) ; 76.43,176.98 v1(77.7,176.98) ; J3#20.6 v1(63.73,138.89) ; J2.1 50.64,73.27 50.53,73.38 ; J2.1 47.75,72.35 47.48,72.62 v1(47.48,73.38) ; J3#32.6 v1(115.53,164.79) ; 40.37,17.52 v1(41.64,17.52) ; 40.37,17.52 40.26,17.63 J1#22.1 36.29,18.55 v1(35.29,19.55) ; 40.37,17.52 v1(38.85,17.52) ; J3#34.6 v1(89.63,61.19) ; J3#29.6 v1(11.93,61.19) ; 50.53,151.08 v1(49.51,151.08) ; 50.53,151.08 v1(51.8,151.08) ; 76.43,73.38 v1(77.7,73.38) ; 76.43,73.38 v1(75.41,73.38) ; 92.17,17.52 v1(93.44,17.52) ; 92.17,17.52 v1(90.65,17.52) ; 66.27,121.12 v1(67.54,121.12) ; 66.27,121.12 v1(64.75,121.12) ; J2#22.1 21.85,150.05 21.58,150.32 v1(21.58,151.08) ; J2#22.1 28.71,150.05 v1(29.71,149.05) ; J2#30.1 80.51,46.45 v1(81.51,45.45) ; v1(101.31,21.58) 102.33,21.58 ; 102.33,21.58 v1(103.6,21.58) ; J3#30.6 v1(37.83,61.19) ; J3#5.6 v1(115.53,138.89) ; J3#6.6 v1(115.53,87.09) ; 50.53,73.38 v1(51.8,73.38) ; 50.53,73.38 v1(49.51,73.38) ; 102.33,99.28 v1(103.6,99.28) ; 102.33,99.28 v1(101.31,99.28) ; J3#15.6 v1(11.93,138.89) ; J2#28.1 99.55,72.35 99.28,72.62 v1(99.28,73.38) ; J3#9.6 v1(63.73,35.29) ; 76.43,125.18 v1(75.41,125.18) ; 76.43,125.18 v1(77.7,125.18) ; J2#33.1 54.61,175.95 v1(55.61,174.95) ; J2#33.1 47.75,175.95 47.48,176.22 v1(47.48,176.98) ; J3#10.6 v1(63.73,112.99) ; J3#25.6 v1(115.53,61.19) ; J3#26.6 v1(11.93,87.09) ; J3#16.6 v1(89.63,138.89) ; J3#13.6 v1(89.63,35.29) ; J3#28.6 v1(11.93,164.79) ; J3#2.6 v1(11.93,9.39) ; J3#4.6 v1(89.63,112.99) ; J3#12.6 v1(63.73,9.39) ; J3#19.6 v1(89.63,87.09) ; J3.6 v1(63.73,164.79) ; J3#23.6 v1(37.83,138.89)
  Bottom w0.559: J3#17.6 v1(37.83,9.39) ; J3#21.6 v1(37.83,87.09) ; J3#11.6 v1(37.83,164.79) ; J3#31.6 v1(11.93,35.29) ; J3#8.6 v1(115.53,9.39) ; J3#33.6 v1(11.93,112.99) ; J3#9.6 v1(63.73,35.29) ; J3#2.6 v1(11.93,9.39) ; J3#10.6 v1(63.73,112.99) ; J3#35.6 v1(89.63,164.79) ; J3#26.6 v1(11.93,87.09) ; J3#5.6 v1(115.53,138.89) ; J3#6.6 v1(115.53,87.09) ; J3#13.6 v1(89.63,35.29) ; J3#3.6 v1(37.83,35.29) ; J3#16.6 v1(89.63,138.89) ; J3#18.6 v1(89.63,9.39) ; J3#25.6 v1(115.53,61.19) ; J3#27.6 v1(115.53,35.29) ; J3#20.6 v1(63.73,138.89) ; J3#7.6 v1(115.53,112.99) ; J3#14.6 v1(63.73,87.09) ; J3.6 v1(63.73,164.79) ; J3#30.6 v1(37.83,61.19) ; J3#34.6 v1(89.63,61.19) ; J3#23.6 v1(37.83,138.89) ; J3#19.6 v1(89.63,87.09) ; J3#32.6 v1(115.53,164.79) ; J3#29.6 v1(11.93,61.19) ; J3#28.6 v1(11.93,164.79) ; J3#4.6 v1(89.63,112.99) ; J3#12.6 v1(63.73,9.39) ; J3#24.6 v1(37.83,112.99) ; J3#22.6 v1(63.73,61.19) ; J3#15.6 v1(11.93,138.89)